# Altium PCB MdFOC.PcbDoc (part 1 of 2) (continued)
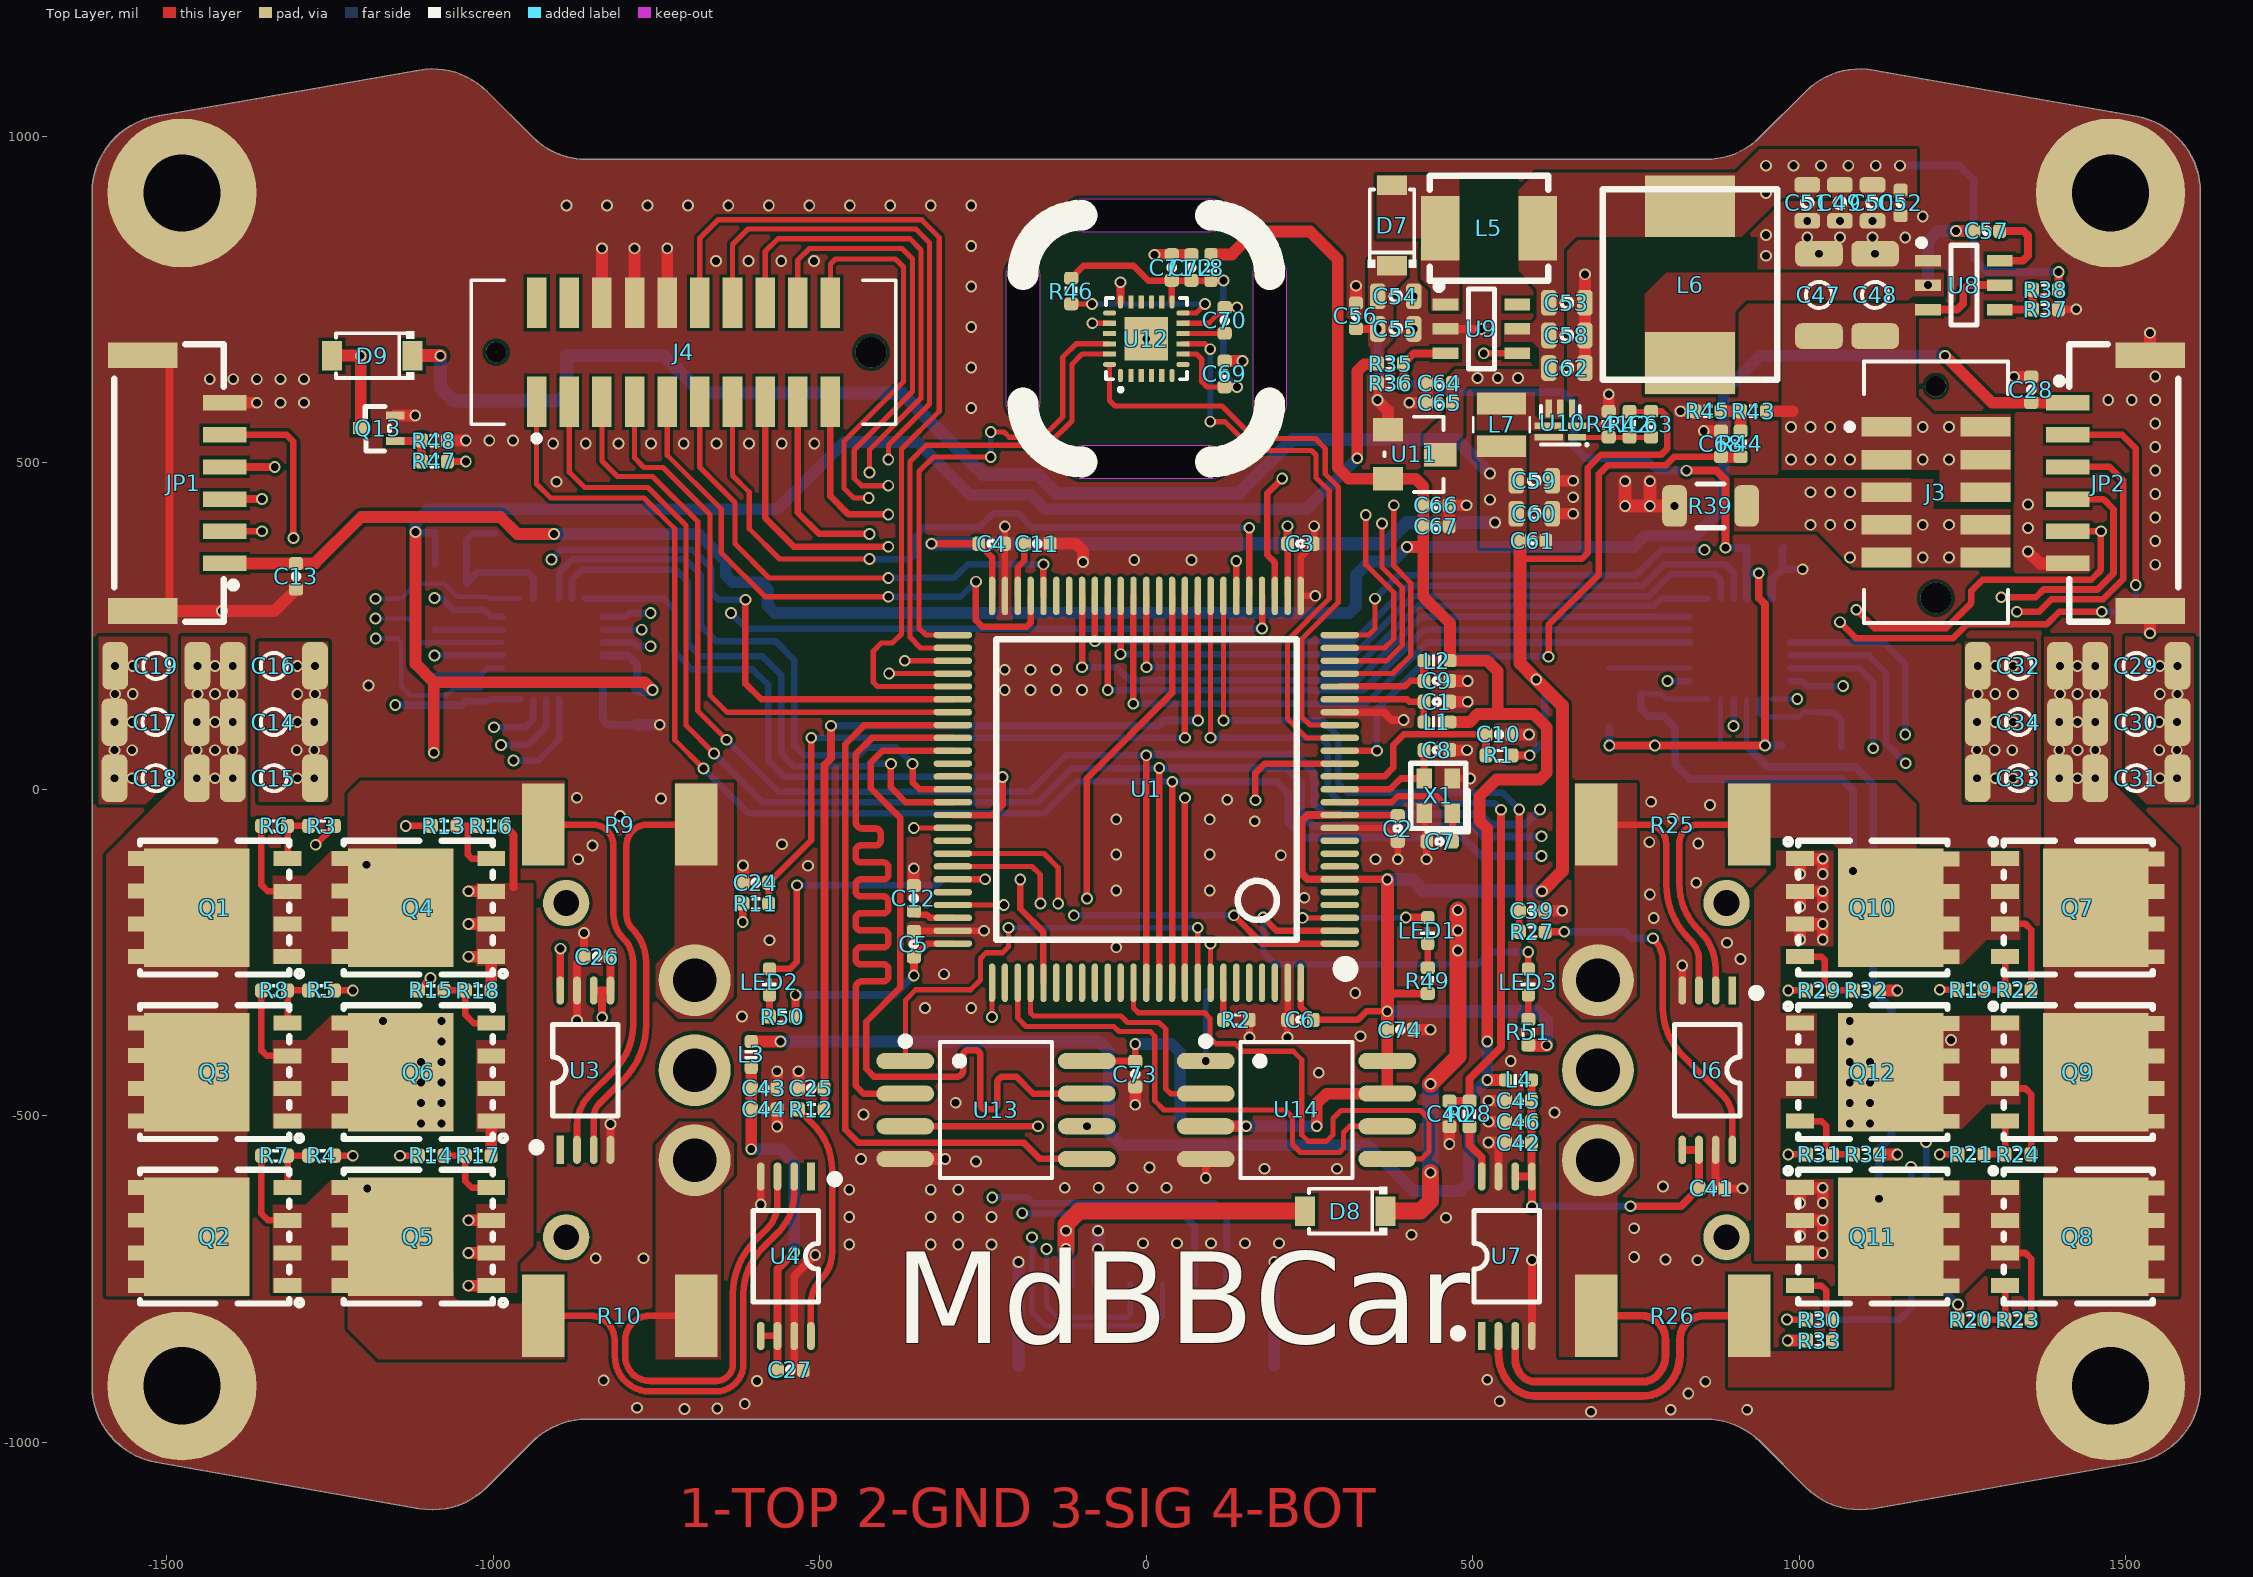
[diagram p0: Top Layer view]
## Footprints (in the part's own frame and the unit in brackets; to place one, negate y for a bottom-side part, rotate by r counter-clockwise, add the part's x,y. Pads: shape width x height; smd on the part's side, far side on the other; paste and mask are expansions set on the pad) (continued)
  silkscreen extent -7.23,-8 5.84,5.84, body extent -8,-8 8,8, height 1.45
MR30PW_F [mm]
  round 2.8 hole 1.7: 1(-2.5,3.5) 2(-2.5,0) 3(-2.5,-3.5)
  round 1.8 hole 1: 4(2.5,-6.5) 5(2.5,6.5)
  silkscreen extent -1.1,-7.7 11.5,7.7, body extent -3.64,-7.65 11.58,7.67, height 4.87
"OSC 2016-4P" [mil]
  rect 30x24 smd: 1(-26.57,-21.66) 2(26.57,-21.66) 3(26.55,21.65) 4(-26.57,21.65)
  silkscreen extent -55,-46 50,42, body extent -39,-31 39,31, height 18
PDFN-8(5.8x4.9) [mm]
  rect 0.58x1.079 smd paste-100 mask+0.05: 1(-1.905,-3.53) 2(-0.635,-3.53) 3(0.635,-3.53) 4(1.905,-3.53)
  rect 0.58x1.08 smd paste-100 mask+0.05: 5(1.91,2.14) 6(0.64,2.14) 7(-0.63,2.14) 8(-1.9,2.14)
  rect 4.6x4.1 smd paste-100 mask+0.05: 9(0,0)
  silkscreen extent -2.69,-4.11 2.6,2.21, body extent -2.5,-3.7 2.5,2.3, height 1.02
"QFN7 1.5X1.5" [mm]
  rect 0.7x0.25 smd paste+0 mask+0.05: 1(-0.55,0.563) 2(-0.55,0.113)
  rect 0.25x0.7 smd paste+0 mask+0.05: 3(-0.35,-0.563) 4(0.1,-0.563) 5(0.55,-0.563)
  rect 1.1x0.25 smd paste+0 mask+0.05: 6(0.55,0.113) 7(0.55,0.563)
  silkscreen extent -0.98,-0.66 0.85,0.9
"QFN24 3X3" [mm]
  oct 0.2x0.505 smd paste-100 mask+0.051: 1(-1,-1.427) 6(1,-1.427) 13(1,1.427) 18(-1,1.427)
  rect 0.2x0.505 smd paste-100 mask+0.051: 2(-0.6,-1.427) 3(-0.2,-1.427) 4(0.2,-1.427) 5(0.6,-1.427) 14(0.6,1.427) 15(0.2,1.427) 16(-0.2,1.427) 17(-0.6,1.427)
  oct 0.505x0.2 smd paste-100 mask+0.051: 7(1.427,-1) 12(1.427,1) 19(-1.427,1) 24(-1.427,-1)
  rect 0.505x0.2 smd paste-100 mask+0.051: 8(1.427,-0.6) 9(1.427,-0.2) 10(1.427,0.2) 11(1.427,0.6) 20(-1.427,0.6) 21(-1.427,0.2) 22(-1.427,-0.2) 23(-1.427,-0.6)
  rect 1.7x1.7 smd paste-100 mask+0.051: 25(0,0)
  silkscreen extent -1.58,-2.05 1.58,1.58, body extent -1.5,-1.5 1.5,1.5, height 0.98
"QFN24 4x4_L" [mm] "24脚，长x宽x高：4x4x1mm，脚距：0.5mm"
  rect 0.28x0.7 smd mask+0.05: 1(-1.25,-1.95) 2(-0.75,-1.95) 3(-0.25,-1.95) 4(0.25,-1.95) 5(0.75,-1.95) 6(1.25,-1.95) 13(1.25,1.95) 14(0.75,1.95) 15(0.25,1.95) 16(-0.25,1.95) 17(-0.75,1.95) 18(-1.25,1.95)
  rect 0.7x0.28 smd mask+0.05: 7(1.95,-1.25) 8(1.95,-0.75) 9(1.95,-0.25) 10(1.95,0.25) 11(1.95,0.75) 12(1.95,1.25) 19(-1.95,1.25) 20(-1.95,0.75) 21(-1.95,0.25) 22(-1.95,-0.25) 23(-1.95,-0.75) 24(-1.95,-1.25)
  rect 2.5x2.5 smd mask+0.05: 25(0,0)
  silkscreen extent -2.03,-2.67 2.03,2.03, body extent -2.01,-2.01 2.01,2.01, height 0.95
"R 0402_L" [mm] "1/16W贴片电阻"
  rrect50% 0.5x0.55 smd: 1(-0.5,0) 2(0.5,0)
  silkscreen extent -0.17,-0.24 0.17,0.24, body extent -0.5,-0.25 0.5,0.25, height 0.35
"R 1206_L" [mil] "1/4W贴片电阻"
  rrect50% 37.64x63.38 smd paste+0 mask+0: 1(-55.22,0) 2(55.22,0)
  silkscreen extent -21,-33 21,33, body extent -63,-31 63,31, height 22
"R 2512_L" [mm] "1W贴片电阻"
  rect 1.65x3.2 smd: 1(-2.95,0) 2(3,0)
  body extent -3.2,-1.6 3.2,1.6, height 0.55
SOD-123FL [mil]
  rect 30x45.28 smd: 1(-61.3,2.79) 2(61.96,2.79)
  silkscreen extent -64,-34 56,40, body extent -71,-30 71,34, height 37
SOD-323 [mm] "1.8x1.3X0.9mm（长宽高，不包括引脚）"
  rect 0.635x0.75 smd: 1(-1.173,0) 2(1.173,0)
  silkscreen extent -1.08,-0.8 0.9,0.8, body extent -1.32,-0.65 1.32,0.65, height 1
SOP8W_L [mm] "5.3*8.3*1.8mm（长宽高）"
  oval 2.25x0.63 smd: 1(-3.53,1.905) 2(-3.53,0.635) 3(-3.53,-0.635) 4(-3.53,-1.905) 5(3.53,-1.905) 6(3.53,-0.635) 7(3.53,0.635) 8(3.53,1.905)
  silkscreen extent -3.68,-2.64 2.18,2.82, body extent -3.94,-2.64 3.94,2.64, height 1.9
SOT23-3L [mil] "3x1.3x1mm(长宽高)"
  rect 36x46 smd: 1(-37.5,-40) 2(37.5,-40)
  rect 36x50 smd: 3(0.5,40)
  silkscreen extent -57,-45 58,45, body extent -59,-47 59,47, height 41
SOT23-6L [mm] "3x1.6x1.1mm(长宽高)"
  rect 0.45x1 smd: 1(-0.95,-1.397) 2(0,-1.397) 3(0.95,-1.397) 4(0.95,1.397) 5(0,1.397) 6(-0.95,1.397)
  silkscreen extent -1.77,-1.78 1.55,0.51, body extent -1.5,-1.4 1.5,1.4, height 1.15
SOT523 [mil]
  rect 28x12 smd: 1(-25.98,19.58) 2(-25.98,-19.58)
  rect 23.62x18 smd: 3(26.98,-0.46)
  silkscreen extent -17,-33 20,35, body extent -33,-31 30,32, height 31
SSOP8_L [mm] "3*6.4*1.2mm（长宽高）"
  rect 1.1x0.3 smd: 1(-3.1,0.975)
  oval 1.1x0.3 smd: 2(-3.1,0.325) 3(-3.1,-0.325) 4(-3.1,-0.975) 5(3.1,-0.975) 6(3.1,-0.325) 7(3.1,0.325) 8(3.1,0.975)
  silkscreen extent -3.13,-1.27 1.78,2.03, body extent -3.2,-1.75 3.2,1.75, height 1.25

## Part data
C1 C2 C3 C4 C5 C6 C7 C8 C9 C10 C11 C12 C13 C14 C15 C16 C17 C18 C19 C20 C21 C22 C23 C24 C25 C26 C27 C28 C29 C30 C31 C32 C33 C34 C35 C36 C37 C38 C39 C40 C41 C42 C43 C44 C45 C46 C47 C48 C49 C50 C51 C52 C53 C54 C55 C56 C57 C58 C59 C60 C61 C62 C63 C64 C65 C66 C67 C68 C69 C70 C71 C72 C73 C74: library part C, "无极性贴片电容", BOM名称=无极性贴片电容, 学习资源=www.ooocke.com, 版权归属=源创客
D1 D2 D3 D4 D5 D6: library part 1N5819, "肖特基二极管", BOM名称=肖特基二极管, 学习资源=www.ooocke.com, 属性=40V/2A, 版权归属=源创客
D7 D8 D9: "肖特基二极管"
J1 J2: "航模接口"
J3: library part LI-2X5P
J4: library part LI-2X10P
JP1 JP2 JP3: library part "Header 6", "6P接插件", BOM名称=6P接插件, 学习资源=www.ooocke.com, 版权归属=源创客
L1 L2 L3 L4 L8: library part L, "小功率贴片电感", BOM名称=小功率贴片电感, 学习资源=www.ooocke.com, 版权归属=源创客
L5 L6 L7: library part L-CD, "贴片功率电感", BOM名称=功率电感, 学习资源=www.ooocke.com, 版权归属=源创客
LED1 LED2 LED3: library part LED-SMD, "贴片LED", BOM名称=贴片LED, 学习资源=www.ooocke.com, 版权归属=源创客
LS1: library part BEEP, "蜂鸣器", BOM名称=蜂鸣器, 学习资源=www.ooocke.com, 版权归属=源创客
Q1 Q2 Q3 Q4 Q5 Q6 Q7 Q8 Q9 Q10 Q11 Q12: "N沟道MOS管 / PDFN-8(5.8x4.9)"
Q13: "N沟道场效应管"
R1 R2 R3 R4 R5 R6 R7 R8 R9 R10 R11 R12 R13 R14 R15 R16 R17 R18 R19 R20 R21 R22 R23 R24 R25 R26 R27 R28 R29 R30 R31 R32 R33 R34 R35 R36 R37 R38 R39 R40 R41 R42 R43 R44 R45 R46 R47 R48 R49 R50 R51: library part R, "贴片电阻", BOM名称=贴片电阻, 学习资源=www.ooocke.com, 版权归属=源创客
U2 U5: "栅极驱动IC"
U3 U4 U6 U7: "PWM抑制电流检测芯片"
U8: library part TPS563200, "3A  4.5V-17V输入 同步"
U9: "2.5A 1.5MHZ / 宽输入升压"
U10: "DC-DC 1.5M / VIN:2.7~5.5V 3A"
U11: library part LN6206PXXX, "三端稳压芯片 / 6V 250mA"
U12: "6轴IMU"
U13 U14: library part W25Qxx, "外置Flash", BOM名称=外置Flash, 学习资源=www.ooocke.com, 版权归属=源创客
X1: library part XTAL-4P, "4脚无源晶振", BOM名称=4脚无源晶振, 学习资源=www.ooocke.com, 版权归属=源创客

## Free pads (board coordinates)
  round 228.35 hole 118.11: 1(-1476.38,-913.39) 1(-1476.38,913.39) 1(1476.38,-913.39) 1(1476.38,913.39)

## Via types
v1: diameter 18, hole 12, Top Layer to Bottom Layer, 590 vias

## Nets (pads, with @x,y where several pads share a name; then routed paths per layer and width w, separated by ;. In a path a pad name is that pad's centre, name@x,y a point inside that pad or via, vN(x,y) a via of type N, cw(c..) or ccw(c..) an arc to the next point about the centre after c; other vN are vias at no path point)
1A_ISENS: C24.2 R11.2 U1.35 | length 1070.2
  Top Layer w10: R11.2@-578,-175 -578,-143 -513,-78 v1(-513,79.06) ; v1(59.06,79.06) U1.35@59.06,296.27
  Bottom Layer w10: v1(-513,79.06) v1(59.06,79.06)
1A_ISENS_N: J1.1 R9.2 U3.3 | length 626.3
  Top Layer w10: U3.3@-846.2,-552.05 -846.2,-501.81 cw(c-818.19,-501.81) -838,-482 -801.15,-445.15 ccw(c-886,-360.29) -766,-360.29 -766,-264.21 ccw(c-837.21,-264.21) -786.86,-213.86 cw(c-764.67,-191.67) -796.05,-191.67 -796.05,-86 cw(c-764.05,-86) -764.05,-54 R9.2@-688.92,-54
1A_ISENS_P: C20.1 Q1.1 Q1.2 Q1.3 Q4.5 Q4.6 Q4.7 Q4.8 Q4.9 R6.1 R9.1 U2.18 U3.2 | length 1597.5
  Top Layer w10: R6.1@-1355,-56 -1355,-146.68 -1345.48,-156.2 Q1.3@-1315,-156.2 ; R9.1@-923.17,-54 -848.05,-54 cw(c-848.05,-86) -816.05,-86 -816.05,-191.67 ccw(c-764.67,-191.67) -801,-228 cw(c-837.21,-264.21) -786,-264.21 -786,-360.29 cw(c-886,-360.29) -815.29,-431 -852.14,-467.86 ccw(c-804.7,-515.3) -871.8,-515.3 U3.2@-871.8,-552.05
  SIG w12: v1(-1194,-115.52) -1194,-68 -1244,-18 -1310,-18 -1330,2 -1330,188 -1308,210 -1157.59,210 -1148,219.59 -1148,282.66 -1137.66,293 v1(-1090,293)
  Bottom Layer w10: v1(-1090,293) -1079,293 -1061,275 -1014,275 -1003.72,264.72 -986.29,264.72 U2.18@-985.78,264.21
1B_ISENS: C25.2 R12.2 U1.34 | length 1347.8
  Top Layer w10: v1@78.74,105.43 U1.34@78.74,296.27
  Top Layer w12: R12.2@-493,-490 -493,-458 -493,37 -483,47 v1(-483,97.43)
  Bottom Layer w12: v1(-483,97.43) 18.84,97.43 26.84,105.43 v1(79.06,105.43)
1B_ISENS_N: J1.3 R10.2 U4.3 | length 664.3
  Top Layer w10: R10.2@-688.92,-806 -760.05,-806 ccw(c-760.05,-844) -798.05,-844 -798.05,-867.95 ccw(c-760,-867.95) -760,-906 -659,-906 ccw(c-659,-880) -633,-880 -633,-773.05 cw(c-517,-773.05) -599.02,-691.02 -581,-673 ccw(c-620.12,-633.88) -564.8,-633.88 U4.3@-564.8,-592.95
1B_ISENS_P: C22.1 Q2.1 Q2.2 Q2.3 Q5.5 Q5.6 Q5.7 Q5.8 Q5.9 R7.1 R10.1 U2.15 U4.2 | length 1913
  Top Layer w10: R7.1@-1355,-561 -1355,-650 -1345,-660 Q2.3@-1315,-660 ; R10.1@-923.17,-806 -852.05,-806 cw(c-852.05,-844) -814.05,-844 -814.05,-867.95 ccw(c-760,-867.95) -760,-922 -659,-922 ccw(c-659,-880) -617,-880 -617,-773.05 cw(c-517,-773.05) -587.71,-702.34 -563.41,-678.03 ccw(c-621.83,-619.61) -539.2,-619.61 U4.2@-539.2,-592.95
  SIG w12: v1(-1193,-611) -1193,-146 -1172,-125 -1172,-52 -1222,-2 -1222,171 -1202,191 -1146,191 -1132,205 v1(-1090,205)
  Bottom Layer w10: v1(-1090,205) -1041,205 -1040.93,205.07 -985.85,205.07 U2.15@-985.78,205.15
1GH_A: R3.2 U2.19 | length 913.7
  Top Layer w10: v1(-1272,-85) R3.2@-1243,-56
  SIG w10: v1(-1272,-85) -1346,-85 -1377,-54 -1377,242.33 -1327.57,291.77 v1(-1180.23,291.76)
  Bottom Layer w7: v1(-1180.23,291.76) -1141.24,291.76 -1118,315 -1075,315 -1055,295 -1009,295 -1005.77,291.77 U2.19@-958.21,291.77
1GH_B: R4.2 U2.16 | length 1335.1
  Top Layer w10: R4.2@-1243,-561 v1(-1215,-561)
  SIG w10: v1(-1215,-561) -1243,-533 -1243,-78 -1266,-55 -1342,-55 -1362,-35 -1362,222 -1322.62,261.38 v1(-1180.23,261.38)
  Bottom Layer w7: v1(-1180.23,261.38) -1130.38,261.38 -1120,251 -1120,232.19 -1112.64,224.84 U2.16@-985.78,224.84
1GH_C: R5.2 U2.13 | length 1091.6
  Top Layer w10: R5.2@-1243,-308 v1(-1215,-308)
  SIG w10: v1(-1215,-308) -1215,-73 -1253,-35 -1328,-35 -1346,-17 -1346,200 -1315,231 v1(-1180,231)
  Bottom Layer w7: v1(-1180,231) -1147,231 -1141,225 -1141,158 -1127,144 -1071,144 -1060,155 -1018,155 -1007.22,165.78 U2.13@-985.78,165.78
1GL_A: R13.2 U2.11 | length 402.5
  Top Layer w10: v1(-1134,-56) R13.2@-1095,-56
  SIG w10: v1(-1134,-56) -1134,63 -1102,95 v1(-999,95)
  Bottom Layer w10: v1(-999,95) -951.29,95 -938.53,107.77 U2.11@-938.53,138.22
1GL_B: R14.2 U2.10 | length 881.6
  Top Layer w10: v1(-1143,-561) R14.2@-1115,-561
  SIG w10: v1(-1143,-561) -1143,-172 -1113,-142 -1113,7 -1052,68 v1(-988,68)
  Bottom Layer w10: v1(-988,68) -947,68 -918.84,96.16 U2.10@-918.84,138.22
1GL_C: R15.2 U2.9 | length 600.6
  Top Layer w10: R15.2@-1115,-308 v1(-1096,-289)
  SIG w10: v1(-1096,-289) -1096,-10 -1042,44 v1(-969,44)
  Bottom Layer w10: v1(-969,44) -931,44 -899.16,75.84 U2.9@-899.16,138.22
1SH_W: C23.1 J1.2 Q3.1 Q3.2 Q3.3 Q6.5 Q6.6 Q6.7 Q6.8 Q6.9 R8.1 U2.12 | length 863.8
  Top Layer w10: R8.1@-1355,-308 -1355,-400 -1346.9,-408.1 Q3.3@-1315,-408.1
  SIG w12: v1(-1169,-355) -1169,-154 -1154,-139 -1154,-36 -1187,-3 -1187,115 -1173,129 v1(-1150,129)
  Bottom Layer w10: C23.1@-1041,135 -1007,135 -1003.78,138.22 U2.12@-958.21,138.22 U2.12@-958.1,138.11
  Bottom Layer w12: v1(-1150,129) -1047,129 C23.1@-1041,135
  other v1: -1110.52,-511.59 -1079.2,-511.59 -1110.52,-480.27 -1079.2,-480.27 -1110.52,-448.95 -1079.2,-448.95 -1110.52,-417.64 -1079.2,-417.64 -1079.2,-386.32 -1079.2,-355
1VB1: C20.2 D1.1 U2.20 | length 260.1
  Bottom Layer w10: D1.1@-996.84,392 -1031,392 -1041,382 -1041,315 -1024,332 -946.95,332 -938.53,323.58 U2.20@-938.53,291.77
1VB2: C22.2 D2.1 U2.17 | length 103.4
  Bottom Layer w10: D2.1@-1089,244.84 -1088.84,244.68 -985.94,244.68 U2.17@-985.78,244.52
1VB3: C23.2 D3.1 U2.14 | length 109.9
  Bottom Layer w8: D3.1@-1091,174.16 -1090.16,175 -1041,175 -1019,175 -1008.53,185.47 U2.14@-985.78,185.47
2A_ISENS: C39.2 R27.2 U1.32 | length 929.5
  Top Layer w8: v1(118.11,105.43) U1.32@118.11,296.27
  Top Layer w10: R27.2@571,-218 C39.2@571,-186
  Top Layer w12: C39.2@571,-186 v1(571,-30.96)
  Bottom Layer w10: v1(118.11,105.43) 269.59,105.43 294,81.02 294,9 308,-5 545.04,-5 v1(571,-30.96)
2A_ISENS_N: J2.3 R25.2 U6.3 | length 362.5
  Top Layer w10: R25.2@688.92,-54 767.05,-54 cw(c767.05,-83) 796.05,-83 796.05,-144.34 ccw(c916.05,-144.34) 831.19,-229.19 834,-232 cw(c804.54,-261.46) 846.2,-261.46 U6.3@846.2,-307.95
2A_ISENS_P: C35.1 Q7.1 Q7.2 Q7.3 Q10.5 Q10.6 Q10.7 Q10.8 Q10.9 R22.1 R25.1 U5.18 U6.2 | length 1161.1
  Top Layer w10: U6.2@871.8,-307.95 871.8,-274.96 ccw(c791.04,-274.96) 848.14,-217.86 845.34,-215.05 cw(c916.05,-144.34) 816.05,-144.34 816.05,-83 cw(c845.05,-83) 845.05,-54 R25.1@923.17,-54 ; Q7.3@1315,-206.2 1346.14,-206.2 1355,-215.06 R22.1@1355,-307
  Bottom Layer w8: C35.1@757,146 788,146 795.78,138.22 U5.18@859.79,138.22
  Bottom Layer w12: C35.1@757,146 757,124 769,112 792,112 810,94 810,38 832,16 1065,16 1082,-1 v1(1082,-125)
2B_ISENS: C40.2 R28.2 U1.33 | length 1236.8
  Top Layer w8: v1@98.43,87.06 U1.33@98.43,296.27
  Top Layer w12: C40.2@464,-477.32 R28.2@495,-477.32 ; R28.2@495,-477 495,-443 542.98,-395.02 v1(542.98,-31.22)
  Bottom Layer w10: v1(98.43,79.06) 267.5,79.06 278,68.56 278,-1 298,-21 532.76,-21 v1(542.98,-31.22)
2B_ISENS_N: J2.1 R26.2 U7.3 | length 461.2
  Top Layer w12: U7.3@564.8,-837.05 564.8,-871.95 ccw(c603.05,-871.95) 576,-899 ccw(c595.31,-879.69) 595.31,-907 760.27,-907 ccw(c760.27,-876.27) 782,-898 ccw(c750.5,-866.5) 795.05,-866.5 795.05,-843 ccw(c758.05,-843) 758.05,-806 R26.2@688.92,-806
2B_ISENS_P: C37.1 Q8.1 Q8.2 Q8.3 Q11.5 Q11.6 Q11.7 Q11.8 Q11.9 R23.1 R26.1 U5.15 U7.2 | length 1611.9
  Top Layer w10: Q8.3@1315,-710 1346.14,-710 1355,-718.86 R23.1@1355,-812
  Top Layer w12: U7.2@539.2,-837.05 539.2,-864.7 ccw(c608.29,-864.7) 559.44,-913.55 560.44,-914.56 ccw(c595.31,-879.69) 595.31,-929 760.27,-929 ccw(c760.27,-876.27) 797.56,-913.56 ccw(c750.5,-866.5) 817.05,-866.5 817.05,-843 cw(c854.05,-843) 854.05,-806 R26.1@923.17,-806
  Bottom Layer w8: U5.15@918.85,138.22 918.92,138.15 918.92,67.08 C37.1@919,67
  Bottom Layer w12: C37.1@919,67 919,66.88 951.88,34 1086,34 1113,7 1113,-308 1141,-336 1141,-532 1122,-551 v1(1122,-627)
2GH_A: R19.2 U5.19 | length 989.1
  Top Layer w10: v1(1215,-307) R19.2@1243,-307
  SIG w10: v1(798.21,165.79) 1035.79,165.79 1048.22,178.22 1210.78,178.22 1242,147 1242,-11 1215,-38 v1(1215,-307)
  Bottom Layer w10: v1(798.21,165.79) U5.19@832.23,165.79
2GH_B: R20.2 U5.16 | length 1322.5
  Top Layer w10: R20.2@1243,-812 v1(1243,-789)
  SIG w10: v1(899.16,97.16) 1070.49,97.16 1080.84,107.51 1179.49,107.51 1190.54,96.46 1190.54,13.75 1163,-13.79 1163,-241.21 1129,-275.21 1129,-337 1194,-402 v1(1194,-540)
  Bottom Layer w10: v1(899.16,97.16) U5.16@899.16,138.22 ; v1(1194,-540) 1194,-740 v1(1243,-789)
2GH_C: R21.2 U5.13 | length 988.8
  Top Layer w10: v1(1215,-559) R21.2@1243,-559
  SIG w10: v1(996.78,138.22) 1183.78,138.22 1208.27,113.73 1208.27,10.27 1178,-20 1178,-359 1215,-396 v1(1215,-559)
  Bottom Layer w8: U5.13@958.22,138.22 v1(996.78,138.22)
2GL_A: R29.2 U5.11 | length 740.5
  Top Layer w10: v1(983,-308) R29.2@1011,-308
  SIG w10: v1(983,-308) 1069.22,-308 1082,-295.22 1082,-248 1113,-217 v1(1113,63)
  Bottom Layer w10: U5.11@985.78,185.47 1091.53,185.47 1113,164 v1(1113,63)
2GL_B: R30.2 U5.10 | length 1421.2
  Top Layer w10: v1(981,-812) R30.2@1011,-812
  SIG w10: v1(1163,40) 1163,13 1148,-2 1148,-235 1114,-269 1114,-346 1179,-411 1179,-523 1171,-531 v1(1171,-578)
  Bottom Layer w10: v1(981,-812) 1153.49,-812 1171,-794.49 v1(1171,-578) ; U5.10@985.78,205.16 1105.84,205.16 1133,178 1133,70 v1(1163,40)
2GL_C: R31.2 U5.9 | length 1173.9
  Top Layer w10: v1(983,-559) R31.2@1011,-559
  SIG w10: v1(983,-559) 1005,-537 1138,-537 1161,-514 1161,-418 1097,-354 1097,-259.07 1130,-226.07 1130,52 v1(1162,84)
  Bottom Layer w10: U5.9@985.78,224.84 1129.16,224.84 1162,192 v1(1162,84)
2SH_W: C38.1 J2.2 Q9.1 Q9.2 Q9.3 Q12.5 Q12.6 Q12.7 Q12.8 Q12.9 R24.1 U5.12 | length 932.1
  Top Layer w10: Q9.3@1315,-458.1 1346.14,-458.1 1355,-466.96 R24.1@1355,-559
  SIG w12: v1(1067,158.22) 1197.78,158.22 1225.59,130.41 1225.59,-2.41 1196,-32 1196,-348 v1(1232,-384)
  Bottom Layer w10: U5.12@985.78,165.79 985.98,166 986.7,165.28 1004.72,165.28 1012,158 1029,158 1029.11,158.11 1066.89,158.11 v1(1067,158.22)
  other v1: 1077,-511.59 1108.32,-511.59 1077,-480.27 1108.32,-480.27 1077,-448.95 1108.32,-448.95 1077,-417.64 1108.32,-417.64 1077,-386.32 1077,-355
2VB1: C35.2 D4.1 U5.20 | length 123.5
  Bottom Layer w8: D4.1@709,186.16 709.16,186 757,186 757.26,185.74 831.96,185.74 U5.20@832.23,185.47
2VB2: C37.2 D5.1 U5.17 | length 104.3
  Bottom Layer w8: C37.2@879.24,67.24 879.24,137.99 U5.17@879.48,138.22
  Bottom Layer w10: D5.1@846.16,67 879,67 C37.2@879.24,67.24
2VB3: C38.2 D6.1 U5.14 | length 200
  Bottom Layer w8: U5.14@938.53,138.22 938.53,116.47 944,111 999,111 1006,118 C38.2@1029,118
  Bottom Layer w10: C38.2@1029,118 1053,118 1064.16,106.84 D6.1@1064.16,64
3A_ISENS: J4.11 U1.31 | length 1286.8
  Top Layer w8: J4.11@-483.66,745.08 -483.66,804.34 -476,812 -384,812 -372,800 -372,624 -463,533 -463,461 -448,446 v1(-425,446)
  Top Layer w10: U1.31@137.8,296.27 v1(137.8,349.8)
  SIG w8: v1(-425,446) -173,446 -141,414 126,414 137.8,402.2 v1(137.8,349.8)
3B_ISENS: J4.10 U1.15 | length 1364.3
  Top Layer w10: J4.10@-483.66,593.5 -483.66,448.66 -456,421 v1(-395,421) ; v1(167.01,-16.7) 167.01,25.01 181.38,39.38 U1.15@296.26,39.38
  SIG w8: v1(-395,421) -375,421 -365,431 -177,431 -140,394 82,394 103,373 103,264.12 167.01,200.11 v1(167.01,-16.7)
5V: C49.2 C50.2 C51.2 C52.2 C53.2 C58.2 C62.2 C64.2 C65.2 D8.1 L5.1 L6.2 R38.2 U9.5 U10.4 U10.5 U11.3 | length 2092.3
  Top Layer w12: R38.2@1397,765 v1(1397,792)
  Top Layer w26: D8.1@366.3,-645.79 419.77,-645.79 435,-630.56 v1(435,-587) ; v1(435,-451) 477,-409 v1(477,-247) v1(477,-216) v1(477,-185)
  SIG w26: v1(477,-247) v1(477,-216) v1(477,-185) 477,-82 459,-64 459,446 437,468 376,468 356,488 356,548.77 371.23,564 426.77,564 442,579.23 442,610 462,630 v1(507,630) v1(538,630) v1(569,630)
  Bottom Layer w12: v1(1154,955) 1245.32,955 1267,933.32 1267,813 1288,792 v1(1397,792)
  Bottom Layer w26: v1(435,-587) v1(435,-451)
  other v1: 949,913 949,955 991,955 1033,955 1075,955 1117,955
12V: C21.1 C36.1 C54.2 C55.2 C56.2 D1.2 D2.2 D3.2 D4.2 D5.2 D6.2 D7.1 R35.2 U2.4 U5.4 | length 4220.1
  Top Layer w12: C56.2@321,705.32 321.32,705 v1(354.44,705) ; v1(709,67) v1(778.67,67) v1(947.16,67) 947.16,283.84 937.89,293.11 v1(937.89,330.89) ; v1(827,488) 873,488 887,474 v1(887,370)
  Top Layer w18: v1(-1119,394) -1119,192 -1091,164 ; v1(-1091,56) -1091,164 ; v1(-756,152) -768,164 -1091,164 ; v1(323,507) 323,640.46 333.54,651 353,651 R35.2@354,652
  Bottom Layer w10: D1.2@-1089.16,392 -1089.08,391.92 -1089.08,344.25 D2.2@-1089,344.16
  Bottom Layer w12: v1(-1119,394) -1118,393 -1090.16,393 D1.2@-1089.16,392 ; v1(-1091,56) D3.2@-1091,81.84 ; U2.4@-832.23,205.15 -794.15,205.15 -780,191 C21.1@-780,155 ; v1(354.44,705) 354.44,639.56 373,621 438,621 451,608 637.89,608 654,591.89 654,525.77 672.45,507.32 763.68,507.32 783,488 v1(827,488) ; v1(709,67) D4.2@709,93.84 ; D5.2@753.84,67 v1(778.67,67) ; v1(887,370) 919,370 918.92,369.92 918.92,330.89 ; U5.4@918.85,291.77 918.92,291.85 918.92,330.89 ; v1(937.89,330.89) 918.92,330.89 ; v1(947.16,67) D6.2@971.84,67 D6.2@972,67
  Bottom Layer w18: v1(-1119,394) -1119,409.23 -1099.23,429 -565,429 -462,532 -351,532 -270,451 -177,451 -155,429 245,429 v1(323,507) ; C21.1@-780,155 -777,152 v1(-756,152)
ADC1_IN11: C68.2 R44.1 U1.16 | length 956.8
  Top Layer w10: U1.16@296.26,59.06 v1(353.06,59.06) ; v1(616,203) 616,252 693,329 693,483 706,496 795,496 808,509 C68.2@880,509
  Top Layer w18: C68.2@880,509 R44.1@910,509
  Bottom Layer w10: v1(353.06,59.06) 353.06,122.06 435,204 615,204 v1(616,203)
AVCC_3V3: C13.2 C28.2 C66.2 C67.2 JP1.1 JP2.1 L1.2 L2.2 L3.1 L4.1 L8.2 U11.2 | length 6663.8
  Top Layer w18: JP1.1@-1411.01,345.97 -1273.03,345.97 -1202,417 -989,417 -963,391 v1(-907,391) ; L3.1@-605,-386 v1(-560,-386) ; L8.2@99,819 131,819 166,854 251,854 293,812 293,492.42 309.92,475.5 U11.2@370,475.5 412.5,475.5 424,464 424,372 ; v1(399,371) 423,371 424,372 ; L1.2@465,103 495,103 507.5,115.5 538,115.5 ; v1(522,-445) L4.1@550,-445 ; v1(522,-386) 522,-60 510,-48 510,-11.01 536.01,15 602.46,15 613,25.54 613,95 592.5,115.5 538,115.5 ; v1(1223,664) 1294.97,592.03 JP2.1@1411.01,592.03 ; 424,372 424,295 465,254 L2.2@465,197 522,197 538,181 538,115.5
  Bottom Layer w18: v1(-907,391) -686,391 -644,349 -644,327.54 -633.46,317 -590.54,317 -580,306.46 -580,281 -569,270 310.46,270 321,280.54 321,328 342,349 377,349 v1(399,371) 746,371 763.31,388.31 840.31,388.31 884,432 884,608 940,664 v1(1223,664) ; v1(-560,-386) -72,-386 -57,-401 -57,-526 -38,-545 339,-545 409,-615 481,-615 495,-601 495,-472 v1(522,-445) v1(522,-386)
BEEP_PWM: R47.1 U1.66 | length 1290.2
  Top Layer w8: v1(-355.95,-59.05) U1.66@-296.26,-59.05
  Top Layer w10: R47.1@-1070,502 v1(-1042,502)
  SIG w10: v1(-1042,502) -844,502 -825,483 -825,202 -810,187 -630,187 -601,158 -601,-46 -587.95,-59.05 v1(-355.95,-59.05)
DBG_SWCLK: JP3.6 U1.76 | length 804
  Top Layer w8: v1(-236.22,-348.78) U1.76@-236.22,-296.25
  SIG w10: v1@-236.22,-625 v1(-236.22,-348.78)
  Bottom Layer w10: v1(-236,-625) -182,-625 -173,-634 105,-634 123.03,-652.03 JP3.6@123.03,-757.01
DBG_SWDIO: JP3.5 U1.72 | length 976.6
  Top Layer w8: U1.72@-296.26,-177.16 v1(-218.16,-177.16)
  SIG w10: v1(-218.16,-177.16) -189.84,-177.16 -175,-192 -175,-275 -215,-315 -215,-592 -190,-617 v1(-190,-649)
  Bottom Layer w10: v1@-195,-649 v1(-190,-649) 54,-649 73.82,-668.82 JP3.5@73.82,-757.01
DVCC_3V3: C2.2 C3.2 C4.2 C5.2 C6.2 C59.2 C60.2 C61.2 C63.1 C73.2 C74.2 D9.1 L7.2 LS1.1 R1.1 R42.1 R49.2 R50.2 R51.2 U1.6 U1.11 U1.27 U1.50 U1.75 U1.100 U10.2 U13.8 U14.3 U14.7 U14.8 | length 7585.1
  Top Layer w8: U10.2@659.66,556.57 682.57,556.57 685,559 720.32,559 R42.1@740,578.68 C63.1@773,578.68
  Top Layer w10: C5.2@-356,-257 -335.21,-236.21 U1.75@-296.26,-236.21 ; C4.2@-257,376 -236.22,355.22 U1.50@-236.22,296.27 U1.50@-236.14,296.34 ; U13.8@-91.02,-416 -17,-416 v1(-17,-390) ; U1.27@216.54,296.27 216.61,296.34 C3.2@216.61,375.61 ; U1.100@236.22,-296.25 236.3,-296.33 236.3,-333.3 C6.2@255.84,-352.84 ; C6.2@255.68,-353 324,-353 337,-340 v1(369,-340) ; U1.11@296.26,-39.36 296.34,-39.44 384.44,-39.44 C2.2@385,-40 ; 572.32,353 667,353 676,362 676,492.04 695.96,512 788.28,512 797.47,521.19 797.47,570.53 789.32,578.68 C63.1@773,578.68
  Top Layer w12: R50.2@-537,-348 v1(-537,-315) ; v1(-356,-285) C5.2@-356,-257 ; v1(-329,376) C4.2@-257,376 ; C3.2@216.32,376 v1(216.32,403) ; U1.11@296.26,-39.36 246.64,-39.36 238,-48 238,-129 246.79,-137.79 U1.6@296.26,-137.79 v1@369,-137.79 ; 369,-312 369.68,-312.68 R49.2@431,-312.68 ; R1.1@560,52 v1(587,52)
  Top Layer w18: U14.3@91.02,-516 v1(153,-516) ; v1(261,-516) 261,-481 276,-466 U14.7@368.98,-466 U14.8@368.98,-416 C74.2@368.98,-368.02
  Top Layer w20: D9.1@-1123.7,664.21 -1081.21,664.21 v1(-1081,664) ; C74.2@369,-368 v1(369,-340) 369,-312 v1(369,-138) ; C61.2@572.32,381 572.32,353 572.32,192.68 v1(597,168) 637,128 637,-125 v1(606,-156) ; R51.2@585,-392 v1(613,-392)
  SIG w20: v1(-356,-285) -329,-258 v1(-329,376)
  Bottom Layer w12: v1(-537,-315) -386,-315 v1(-356,-285) ; v1(216.32,403) 216.32,376.68 217,376 ; v1(587,52) 610,75 610,155 v1(597,168)
  Bottom Layer w18: v1(-17,-390) 39,-390 52,-403 52,-505.46 62.54,-516 v1(153,-516) v1(261,-516)
  Bottom Layer w20: v1(-1081,664) -1081,615 -1061,595 -900,595 -887.52,607.48 LS1.1@-887.52,664 -739,664 -682,607 -375,607 -271,503 -250,482 -166,482 -137,453 141,453 224,536 473.63,536 v1(526.07,483.55) ; v1(-329,376) 217,376 366,376 398.55,408.55 v1(534.07,408.55) ; v1(369,-340) 599,-340 613,-354 v1(613,-392) ; v1@369,-137.79 406.79,-137.79 425,-156 v1(606,-156)
  other v1: 526.07,443.55
EC1_CLK: J4.2 JP1.4 JP2.4 U1.89 | length 4967.9
  Top Layer w8: J4.2@-883.66,593.5 -883.66,485.66 -860,462 -763,462 -705,404 -705,98 v1(-662,55)
  Top Layer w10: U1.89@19.68,-296.25 v1(19.68,32.68) ; v1(1309,294) 1362,294 1374,306 1456.46,306 1481,330.54 1481,429 1465.6,444.4 JP2.4@1411.01,444.4
  Top Layer w12: JP1.4@-1411.01,493.6 v1(-1334.6,493.6)
  SIG w12: v1(-1334.6,493.6) -1334.01,493.01 -1334.01,427.99 -1343,419 -1365,419 -1376,408 -1376,353 -1354,331 -966,331 -950,315 -950,90 -915,55 v1(-662,55) ; v1(605,-72) 657,-20 657,197 695,235 1223,235 1282,294 v1(1309,294)
  Bottom Layer w10: v1(-662,55) -587,-20 -166,-20 -114,32 v1@19,32
  Bottom Layer w12: v1(19.68,32.68) 214.32,32.68 237,10 237,-38 255,-56 500,-56 516,-72 v1(605,-72)
EC1_CS: JP1.5 U1.56 | length 1478.1
  Top Layer w10: JP1.5@-1411.01,542.82 -1316.54,542.82 -1306,532.28 v1(-1306,385) ; v1(-613.8,290.2) -613.8,161.8 -589.8,137.8 U1.56@-296.26,137.8
  SIG w10: v1(-1306,385) -1273,385 -1258,370 -951.37,370 -934.9,353.53 -912.53,353.53 v1(-911,352)
  Bottom Layer w10: v1(-911,352) -896,367 -695,367 -666,338 -666,301 -655.2,290.2 v1(-613.8,290.2)
EC1_MISO: J4.1 JP1.3 JP2.3 U1.90 | length 5064.8
  Top Layer w8: J4.1@-933.66,593.5 -933.66,467.66 -912,446 -769,446 -722,399 -722,76 v1(-678,32)
  Top Layer w10: U1.90@39.37,-296.25 39.45,-296.17 39.45,11.45 v1(39.68,11.68) ; v1(1333,272) 1367,272 1386,291 1465.1,291 1496,321.9 1496,473 1475.39,493.61 JP2.3@1411.01,493.61
  Top Layer w12: JP1.3@-1411.01,444.39 v1(-1354.01,444.39)
  SIG w12: v1(-1354.01,444.39) -1383.61,444.39 -1396,432 -1396,344 -1365,313 -981,313 -972,304 -972,86 -918,32 v1(-678,32) ; v1(605,-102) 675,-32 675,175 717,217 1232,217 1287,272 v1(1333,272)
  Bottom Layer w10: v1(-678,32) -609,-37 -157,-37 -107.63,12.37 39,12.37 v1(39.68,11.68)
  Bottom Layer w12: v1(39.68,11.68) 199.69,11.68 217.42,-6.04 217.42,-51.42 240,-74 485,-74 513,-102 v1(605,-102)
EC1_MOSI: J4.3 JP1.2 JP2.2 U1.88 | length 4946.6
  Top Layer w8: J4.3@-833.66,593.5 -833.66,502.66 -810,479 -756,479 -687,410 -687,120 v1(-643,76)
  Top Layer w10: JP1.2@-1411.01,395.18 v1(-1354.01,395.18) ; U1.88@0,-296.25 v1(0,52) ; v1(1062,256) 1087,231 1235,231 1257,253 1379,253 1398,272 v1(1463,272) ; JP2.2@1411.01,542.82 1494.18,542.82 1515,522 v1(1515,313)
  SIG w12: v1(-1354.01,395.18) -1354.01,363.01 -1339,348 -952,348 -932,328 -932,101 -907,76 v1(-643,76) ; v1(603,-31) 638,4 638,214 680,256 v1(1062,256)
  Bottom Layer w10: v1(-643,76) -563,-4 -179,-4 -123,52 v1(0,52) ; v1(1463,272) 1498,272 1515,289 v1(1515,313)
  Bottom Layer w12: v1(0,52) 1.15,53.15 10.45,53.15 10.99,53.68 227.61,53.68 257,24.29 257,-22 273,-38 511,-38 527,-54 580,-54 v1(603,-31)
EC2_CS: JP2.5 U1.25 | length 1498.7
  Top Layer w8: U1.25@296.26,236.23 340.23,236.23 350,246 v1(350,292)
  Top Layer w10: v1(1087,275) 1115,247 1225,247 1263.5,285.5 1263.5,304.18 1280.32,321 1446.84,321 1461.82,335.98 v1(1461.82,395.18) JP2.5@1411.01,395.18
  SIG w10: v1(854.68,366.68) 854.68,290.32 870,275 v1(1087,275)
  Bottom Layer w10: v1(350,292) 386,328 750,328 788.68,366.68 v1(854.68,366.68)
EC3_CS: J4.4 U1.57 | length 896.9
  Top Layer w8: J4.4@-783.66,593.5 -783.66,507.66 -769,493 -740,493 -668,421 -668,144 -642.12,118.12 U1.57@-296.26,118.12